# Altium PCB PCB.PcbDoc (part 2 of 3)
Units mm, origin at the board's own origin, x right, y up, seen from the top; angles counter-clockwise.
Board outline 138 x 80 mm, 4 copper layers (Top Layer, Signal Layer 1, Signal Layer 2, Bottom Layer), stack 1.605 mm thick; 288 components, 216 nets, 805 pads, 268 vias.
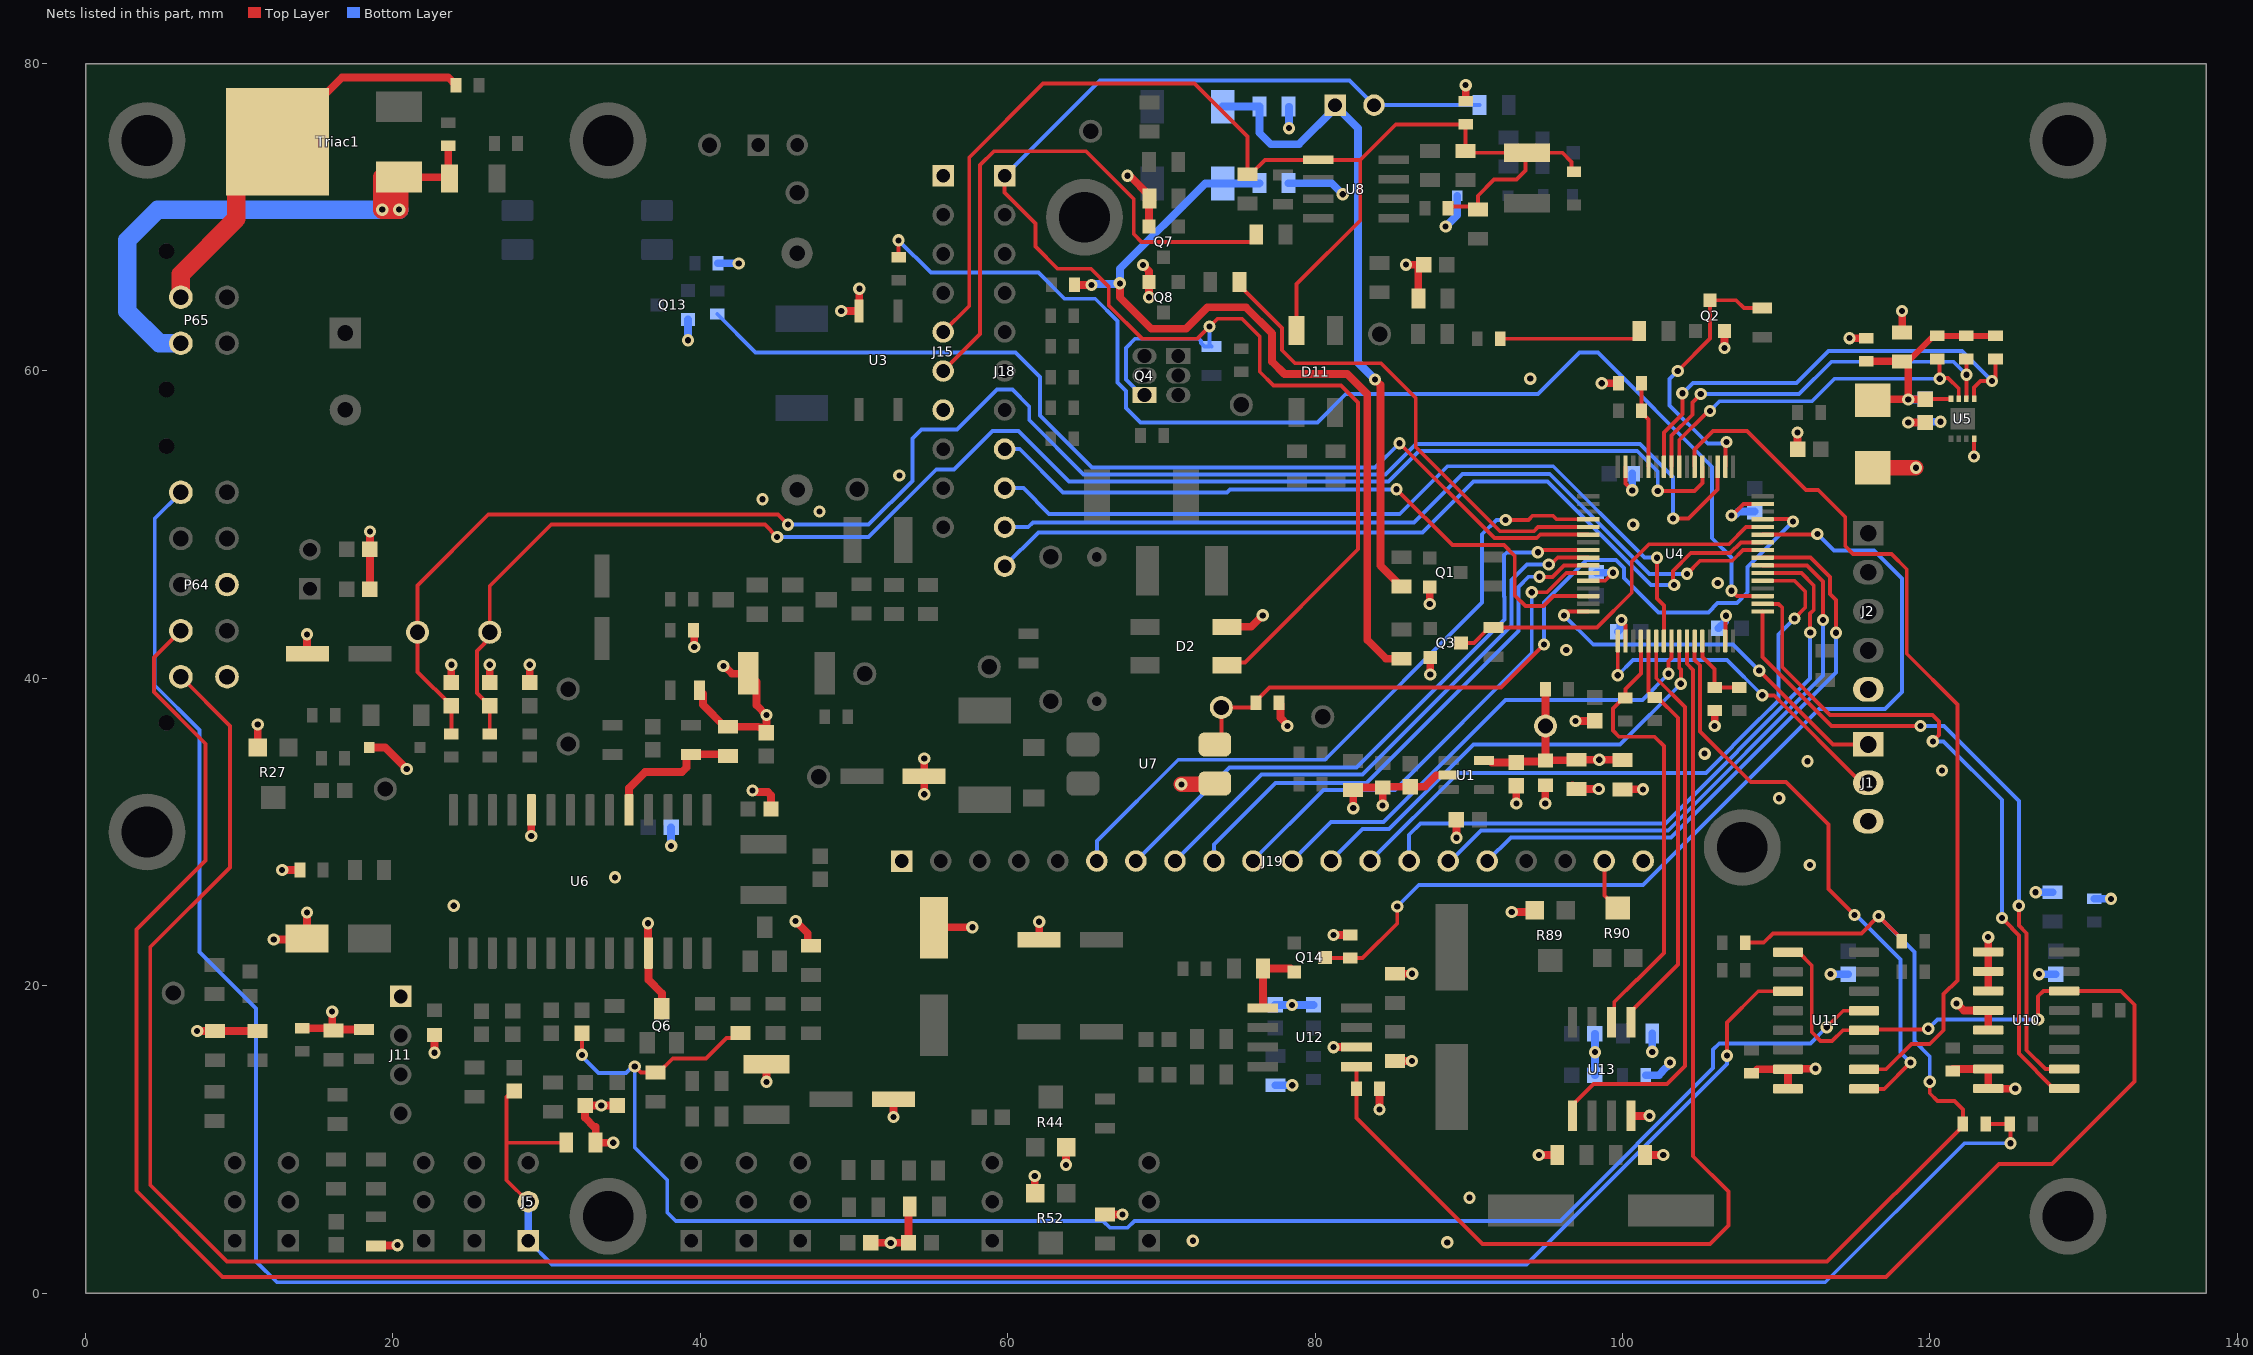
[diagram p4: the nets of this part, all layers, seen from the top]

## Part data (continued)
Q1 Q2 Q3 Q13 Q14: library part CMP-012-00003-2, "MMBT2222 Series NPN 350 mW 40 V 600 mA SMT Small Signal Transistor - SOT-23", Case/Package=SOT-23-3, Collector Base Voltage (VCBO)=75V, Collector Emitter Breakdown Voltage=40V, Collector Emitter Saturation Voltage=1V, Continuous Collector Current=600mA, Current=1A, Emitter Base Voltage (VEBO)=6V, Frequency=300MHz, Manufacturer=Diodes, Max Operating Temperature=150°C, Max Power Dissipation=300mW, Min Operating Temperature=-55°C, Package Quantity=3000, Power Dissipation=350mW, Category=BJTs, Collector Emitter Voltage (VCEO)=40V, Collector-emitter Voltage-Max=1V, Component Type=Standard, ComponentLink1Description=https://datasheet.ciiva.com/15139/getdatasheetpartid-82692-15139078.pdf?src-supplier=Verical, ComponentLink1URL=https://datasheet.ciiva.com/15139/getdatasheetpartid-82692-15139078.pdf?src-supplier=Verical, ComponentLink2Description=https://datasheet.ciiva.com/8029/ds30041-8029709.pdf?src-supplier=Element14, ComponentLink2URL=https://datasheet.ciiva.com/8029/ds30041-8029709.pdf?src-supplier=Element14, ComponentLink3Description=https://datasheet.ciiva.com/11201/ds30041-11201864.pdf?src-supplier=Avnet, ComponentLink3URL=https://datasheet.ciiva.com/11201/ds30041-11201864.pdf?src-supplier=Avnet, ComponentLink4Description=https://datasheet.ciiva.com/16199/ds30041-16199045.pdf?src-supplier=Future+Electronics, ComponentLink4URL=https://datasheet.ciiva.com/16199/ds30041-16199045.pdf?src-supplier=Future+Electronics, ComponentLink5Description=https://datasheet.ciiva.com/11198/ds30041-11198965.pdf?src-supplier=Avnet, ComponentLink5URL=https://datasheet.ciiva.com/11198/ds30041-11198965.pdf?src-supplier=Avnet, ComponentLink6Description=https://datasheet.ciiva.com/972/ds30041-972551.pdf?src-supplier=Digi-Key, ComponentLink6URL=https://datasheet.ciiva.com/972/ds30041-972551.pdf?src-supplier=Digi-Key, ComponentLink7Description=https://datasheet.ciiva.com/972/ds30041-972552.pdf?src-supplier=Digi-Key, ComponentLink7URL=https://datasheet.ciiva.com/972/ds30041-972552.pdf?src-supplier=Digi-Key, ComponentLink8Description=https://datasheet.ciiva.com/972/ds30041-972550.pdf?src-supplier=Digi-Key, ComponentLink8URL=https://datasheet.ciiva.com/972/ds30041-972550.pdf?src-supplier=Digi-Key, Contact Plating=Tin,Matte, Current Rating=600mA, Design Item ID=MMBT2222A-7-F, Element Configuration=Single, Gain Bandwidth Product=300MHz, Height=1mm, hFE Min=100, Lead Free="Lead Free", Length=3.05mm, Manufacturer Part Number=MMBT2222A-7-F, Max Collector Current=600mA, Max Frequency=300MHz, Mount="Surface Mount", Number of Elements=1, Packaging="Tape and Reel", Pin Count=3, Pins=3, Polarity=NPN, Pricing 1="1=0.14000, 10=0.13300, 50=0.13300, 100=0.07200, 500=0.04500, 1000=0.03100, 3000=0.02300, 9000=0.02000, 10000=0.02000, 24000=0.01800, 45000=0.01500 (USD)", Radiation Hardening=No, Reach SVHC Compliant=Yes, RoHS=Yes, RoHS Compliant=Yes, Series="Automotive, AEC-Q101", Source=PTZ.SCHLIB, Stock 1=1743698, Termination=SMD/SMT, Transition Frequency=300MHz, Voltage=40V, Voltage Rating=40V, Voltage Rating (DC)=40V, Weight=0.000282oz, Width=1.4mm
Q4 Q5: library part CMP-012-000004-2, "MPSA92 Series 300 V 500 mA PNP Through Hole Silicon Transistor - TO-92", Manufacturer="Central Semiconductor", Component Type=Standard, Design Item ID=MPSA92PBFREE, Manufacturer Part Number=MPSA92PBFREE, Pin Count=3, Pricing 1="1=0.51, 10=0.438, 50=0.438, 100=0.327, 1000=0.19, 10000=0.146 (USD)", RoHS=Yes, Source=V4-TEL.SCHLIB, Stock 1=81433
Q6 Q9 Q11 Q12: library part CMP-013-00035-1, "ON Semi BCX17LT1G PNP Bipolar Transistor; 0.5 A; 45 V; 3-Pin SOT-23", Case/Package=SOT-23-3, Continuous Collector Current=500mA, Manufacturer="ON Semiconductor", Max Operating Temperature=150°C, Min Operating Temperature=-55°C, Manufacturer Part Number=BCX17LT1G, Mounting Technology=SMD/SMT, Nominal Vgs=5V, Pins=3, Transistor Type=PNP
Q7 Q8 Q10: library part CMP-012-00011-1, "Bipolar Transistor, SOT-23, 160V, 600mA", Case/Package=SOT-23, Manufacturer="ON Semiconductor", Manufacturer Part Number=MMBT5551LT1G, Reach SVHC Compliant=Yes, RoHS Compliant=Yes
R1 R2 R25 R28 R56 R58 R65 R68 R75 R77 R88 R96 R98 R99 R101 R102 R103: library part CMP-009-00195-1, "Res Thkflm 0603 0 Ohm Jumper 1/10W 100Ppm/ C Smd Rohs Compliant: Yes", Case Code (Metric)=1608, Case/Package=0603, Current Rating=1A, Manufacturer 1="Stackpole Electronics", Max Operating Temperature=155°C, Max Power Dissipation=100mW, Min Operating Temperature=-55°C, Resistor Type="Thick Film", Working Voltage=75V, Category="Chip SMD Resistors", ComponentLink1Description=https://www.seielect.com/catalog/SEI-Packaging.pdf?src-supplier=Digi-Key, ComponentLink1URL=https://www.seielect.com/catalog/SEI-Packaging.pdf?src-supplier=Digi-Key, ComponentLink2Description=https://www.seielect.com/Catalog/SEI-RMCF_RMCP.pdf?src-supplier=Digi-Key, ComponentLink2URL=https://www.seielect.com/Catalog/SEI-RMCF_RMCP.pdf?src-supplier=Digi-Key, ComponentLink3Description=https://www.seielect.com/catalog/SEI-Packaging.pdf?src-supplier=Arrow+Electronics, ComponentLink3URL=https://www.seielect.com/catalog/SEI-Packaging.pdf?src-supplier=Arrow+Electronics, ComponentLink4Description=https://www.seielect.com/catalog/SEI-Packaging.pdf?src-supplier=Avnet, ComponentLink4URL=https://www.seielect.com/catalog/SEI-Packaging.pdf?src-supplier=Avnet, ComponentLink5Description=https://www.seielect.com/catalog/SEI-Packaging.pdf?src-supplier=Verical, ComponentLink5URL=https://www.seielect.com/catalog/SEI-Packaging.pdf?src-supplier=Verical, Construction=Rectangular, Contact Plating=Tin,Matte, Depth=0.8mm, Design Item ID=RMCF0603ZT0R00, Features="Automotive AEC-Q200", Height=0.022inch, Lead Free="Lead Free", Length=1.55mm, Manufacturer Part Number 1=RMCF0603ZT0R00, Military Standard=Not, Mount="Surface Mount", Number of Terminations=2, Packaging="Tape and Reel", Power Rating=100mW, Pricing 1="1=0.10000, 10=0.01300, 25=0.00960, 50=0.00720, 100=0.00530, 250=0.00404, 500=0.00324, 1000=0.00238 (USD)", Radiation Hardening=No, RoHS=Yes, RoHS Compliant=Yes, Series=RMCF, Source=PTZLib.SchLib, Stock 1=617251, Width=0.031inch
R3 R93: library part CMP-009-00242-1, "Res Thick Film 0603 330 Ohm 1% 0.1W(1/10W) ±100ppm/C Pad SMD T/R", Case Code (Metric)=1608, Case/Package=0603, Manufacturer=Yageo, Manufacturer Part Number=RC0603FR-071K54L, Max Operating Temperature=155°C, Max Power Dissipation=100mW, Min Operating Temperature=-55°C, Package Quantity=1, Resistor Type="Thick Film", Temperature Coefficient=100ppm/°C, Tolerance=1%, Voltage Rating=50V, Category="Chip SMD Resistors", ComponentLink1Description=https://datasheet.ciiva.com/2454/pyu-r-int-thick-7-2454405.pdf?src-supplier=Digi-Key, ComponentLink1URL=https://datasheet.ciiva.com/2454/pyu-r-int-thick-7-2454405.pdf?src-supplier=Digi-Key, ComponentLink2Description=https://datasheet.ciiva.com/2454/pyu-r-int-thick-7-2454406.pdf?src-supplier=Digi-Key, ComponentLink2URL=https://datasheet.ciiva.com/2454/pyu-r-int-thick-7-2454406.pdf?src-supplier=Digi-Key, ComponentLink3Description=https://datasheet.ciiva.com/2454/pyu-r-int-thick-7-2454407.pdf?src-supplier=Digi-Key, ComponentLink3URL=https://datasheet.ciiva.com/2454/pyu-r-int-thick-7-2454407.pdf?src-supplier=Digi-Key, Construction=Rectangular, Depth=0.8mm, Design Item ID=RC0603FR-071K54L, Features="Moisture Resistant", Height=450um, Lead Free="Lead Free", Length=1.6mm, Military Standard=Not, Number of Terminations=2, Packaging="Cut Tape", Pins=2, Power Rating=100mW, Pricing 1="1=0.10000, 10=0.01800, 50=0.01800, 100=0.00600, 1000=0.00500, 10000=0.00300 (USD)", RoHS=Yes, RoHS Compliant=Yes, Series=RC, Size Code=0603, Stock 1=61319, Termination=SMD/SMT, Voltage Rating (DC)=50V, Width=800um
R4: library part CMP-009-00287-2, "Res Thick Film 2512 56 Ohm 5% 2W ±100ppm/°C Molded SMD SMD T/R", Case Code (Imperial)=2512, Case Code (Metric)=6432, Manufacturer="TE Connectivity", Max Operating Temperature=155°C, Min Operating Temperature=-55°C, Number of Resistors=1, Power=2W, Resistance Tolerance=5%, Resistor Type="Power resistor", Temperature Coefficient=100ppm/°C, Voltage Rating=200V, Case/Package=2512, Component Type=Standard, ComponentLink1Description=https://datasheet.ciiva.com/12564/ng-ds-1773204-g-214560-12564976.pdf?src-supplier=Mouser, ComponentLink1URL=https://datasheet.ciiva.com/12564/ng-ds-1773204-g-214560-12564976.pdf?src-supplier=Mouser, ComponentLink2Description=https://datasheet.ciiva.com/48778/1755795-48778268.pdf?src-supplier=Element14, ComponentLink2URL=https://datasheet.ciiva.com/48778/1755795-48778268.pdf?src-supplier=Element14, ComponentLink3Description=https://datasheet.ciiva.com/48777/1755795-48777694.pdf?src-supplier=Element14, ComponentLink3URL=https://datasheet.ciiva.com/48777/1755795-48777694.pdf?src-supplier=Element14, Depth=3.2mm, Height=0.55mm, Length=6.35mm, Manufacturer Part Number=4-1879501-3, Mounting Technology="Surface Mount", Number of Terminations=2, Packaging="Cut Tape", Pins=2, Reach SVHC Compliant=No, RoHS Compliant=Yes, Series=CRGH, Stock=3706, Technology="THICK FILM", Termination=Solder, Tolerance=5%, Voltage Rating (DC)=200V
R5 R8 R10 R11 R12 R16 R18 R19 R20 R21 R37 R47 R49 R73 R86 R97 R100 R110 R111 R112 R113 R114 R115: library part CMP-009-00213-1, "Res Thick Film 0603 10K Ohm 5% 1/10W 200ppm/C Molded SMD SMD Paper T/R", Case Code (Metric)=1608, Case/Package=0603, Manufacturer 1="Vishay Dale", Max Operating Temperature=155°C, Max Power Dissipation=100mW, Min Operating Temperature=-55°C, Package Quantity=1, Resistance Tolerance=5%, Resistor Type="Thick Film", Temperature Coefficient=200ppm/°C, Voltage Rating=75V, Category="Chip SMD Resistors", ComponentLink1Description=https://datasheet.ciiva.com/3256/dcrcwe3-3256943.pdf?src-supplier=Avnet, ComponentLink1URL=https://datasheet.ciiva.com/3256/dcrcwe3-3256943.pdf?src-supplier=Avnet, ComponentLink2Description=https://datasheet.ciiva.com/2461/dcrcwe3-2461971.pdf?src-supplier=Digi-Key, ComponentLink2URL=https://datasheet.ciiva.com/2461/dcrcwe3-2461971.pdf?src-supplier=Digi-Key, ComponentLink3Description=https://datasheet.ciiva.com/2461/dcrcwe3-2461972.pdf?src-supplier=Digi-Key, ComponentLink3URL=https://datasheet.ciiva.com/2461/dcrcwe3-2461972.pdf?src-supplier=Digi-Key, ComponentLink4Description=https://datasheet.ciiva.com/2461/dcrcwe3-2461973.pdf?src-supplier=Digi-Key, ComponentLink4URL=https://datasheet.ciiva.com/2461/dcrcwe3-2461973.pdf?src-supplier=Digi-Key, ComponentLink5Description=https://datasheet.ciiva.com/3256/dcrcwe3-3256942.pdf?src-supplier=Avnet, ComponentLink5URL=https://datasheet.ciiva.com/3256/dcrcwe3-3256942.pdf?src-supplier=Avnet, ComponentLink6Description=https://datasheet.ciiva.com/16343/dcrcwe3-16343525.pdf?src-supplier=Future+Electronics, ComponentLink6URL=https://datasheet.ciiva.com/16343/dcrcwe3-16343525.pdf?src-supplier=Future+Electronics, ComponentLink7Description=https://datasheet.ciiva.com/16755/70201119-16755717.pdf?src-supplier=Allied+Electronics, ComponentLink7URL=https://datasheet.ciiva.com/16755/70201119-16755717.pdf?src-supplier=Allied+Electronics, ComponentLink8Description=https://datasheet.ciiva.com/16515/dcrcwe3-16515020.pdf?src-supplier=Avnet+Asia, ComponentLink8URL=https://datasheet.ciiva.com/16515/dcrcwe3-16515020.pdf?src-supplier=Avnet+Asia, ComponentLink9Description=https://datasheet.ciiva.com/16771/70201119-16771051.pdf?src-supplier=Allied+Electronics, ComponentLink9URL=https://datasheet.ciiva.com/16771/70201119-16771051.pdf?src-supplier=Allied+Electronics, Construction=Rectangular, Contact Plating=Tin, Depth=0.85mm, Design Item ID=CRCW060310K0JNEA, Features="Automotive AEC-Q200", Height=0.02inch, Lead Free="Lead Free", Length=1.55mm, Manufacturer Part Number 1=CRCW060310K0JNEA, Military Standard=Not, Mount="Surface Mount", Number of Terminations=2, Packaging="Tape and Reel", Pins=2, Power Rating=100mW, Pricing 1="1=0.10000, 10=0.03300, 100=0.01360, 1000=0.00610, 2500=0.00529 (USD)", Radiation Hardening=No, REACH SVHC=Unknown, RoHS=Yes, RoHS Compliant=Yes, Series=CRCW, Size Code=0603, Source=PTZLib.SchLib, Stock 1=41, Termination=SMD/SMT, Tolerance=5%, Voltage Rating (DC)=75V, Weight=7.1E-05oz, Width=0.033inch
R6 R57: "RC Series 0805 0.125 W 0 Ohm Jumper SMT Thick Film Chip Resistor", Case Code (Metric)=2012, Case/Package=0805, Manufacturer=Yageo, Manufacturer Part Number=RC0805FR-070RL, Max Operating Temperature=155°C, Max Power Dissipation=125mW, Min Operating Temperature=-55°C, Tolerance=1%, Category="Chip SMD Resistors", Component Type=Standard, ComponentLink1Description=https://datasheet.ciiva.com/15189/getdatasheetpartid-348154-15189885.pdf?src-supplier=Verical, ComponentLink1URL=https://datasheet.ciiva.com/15189/getdatasheetpartid-348154-15189885.pdf?src-supplier=Verical, ComponentLink2Description=https://datasheet.ciiva.com/17042/rc0805-17042698.pdf?src-supplier=Future+Electronics, ComponentLink2URL=https://datasheet.ciiva.com/17042/rc0805-17042698.pdf?src-supplier=Future+Electronics, Construction=Rectangular, Contact Plating=Tin,Matte, Depth=1.25mm, Design Item ID=RC0805FR-070RL, Features="Moisture Resistant", Lead Free="Lead Free", Length=2mm, Military Standard=Not, Number of Terminations=2, Packaging="Tape and Reel", Pin Count=2, Power Rating=125mW, Pricing 1="1=0.1, 10=0.039, 50=0.039, 100=0.016, 1000=0.008, 10000=0.004 (USD)", RoHS=Yes, RoHS Compliant=Yes, Series=RC, Size Code=0805, Source=V4-TEL.SCHLIB, Stock 1=550673
R7 R13 R14 R34: library part CMP-009-00322-1, "Res Thick Film 0805 100K Ohm 1% 1/8W ±100ppm/°C Molded SMD Paper T/R", Case/Package=0805, Manufacturer=Yageo, Max Operating Temperature=155°C, Min Operating Temperature=-55°C, Power=125mW, Resistor Type="Thick Film", Temperature Coefficient=100ppm/°C, Tolerance=1%, Voltage Rating=150V, Contact Plating=Tin,Matte, Height=500um, Lead Free="Lead Free", Length=2mm, Manufacturer Part Number=RC0805FR-07100KL, Mounting Technology=SM, Packaging="Cut Tape", Pins=2, Radiation Hardening=No, Reach SVHC Compliant=Yes, RoHS Compliant=True, Voltage Rating (DC)=150V, Width=1.25mm
R9 R17 R53 R54: "Res Thick Film 0805 1M Ohm 5% 0.125W(1/8W) ±200ppm/°C Pad SMD T/R", Manufacturer=Vishay, Manufacturer Part Number=CRCW08051M00JNEAC, Category="Chip SMD Resistors", Component Type=Standard, Design Item ID=CRCW08051M00JNEAC, Pin Count=2, Pricing 1="1=0.1, 10=0.042, 50=0.042, 100=0.017, 1000=0.008, 10000=0.005 (USD)", RoHS=No, Source=V4-TEL.SCHLIB, Stock 1=24891
R15 R45 R66 R67 R72: "Res Thick Film 0805 330K Ohm 1% 1/8W ±100ppm/°C Molded SMD Paper T/R", Case Code (Metric)=2012, Case/Package=0805, Manufacturer=Yageo, Manufacturer Part Number=RC0805FR-07330KL, Max Operating Temperature=155°C, Max Power Dissipation=125mW, Min Operating Temperature=-55°C, Package Quantity=1, Resistance Tolerance=1%, Resistor Type="Thick Film", Temperature Coefficient=100ppm/°C, Voltage Rating=150V, Category="Chip SMD Resistors", Component Type=Standard, ComponentLink1Description=https://datasheet.ciiva.com/2457/pyu-r-int-thick-7-2457090.pdf?src-supplier=Digi-Key, ComponentLink1URL=https://datasheet.ciiva.com/2457/pyu-r-int-thick-7-2457090.pdf?src-supplier=Digi-Key, ComponentLink2Description=https://datasheet.ciiva.com/2457/pyu-r-int-thick-7-2457091.pdf?src-supplier=Digi-Key, ComponentLink2URL=https://datasheet.ciiva.com/2457/pyu-r-int-thick-7-2457091.pdf?src-supplier=Digi-Key, ComponentLink3Description=https://datasheet.ciiva.com/2457/pyu-r-int-thick-7-2457089.pdf?src-supplier=Digi-Key, ComponentLink3URL=https://datasheet.ciiva.com/2457/pyu-r-int-thick-7-2457089.pdf?src-supplier=Digi-Key, ComponentLink4Description=https://datasheet.ciiva.com/12667/rc0805-12667006.pdf?src-supplier=Mouser, ComponentLink4URL=https://datasheet.ciiva.com/12667/rc0805-12667006.pdf?src-supplier=Mouser, ComponentLink5Description=https://datasheet.ciiva.com/7941/444164-7941766.pdf?src-supplier=Element14, ComponentLink5URL=https://datasheet.ciiva.com/7941/444164-7941766.pdf?src-supplier=Element14, ComponentLink6Description=https://datasheet.ciiva.com/7941/444164-7941767.pdf?src-supplier=Element14, ComponentLink6URL=https://datasheet.ciiva.com/7941/444164-7941767.pdf?src-supplier=Element14, ComponentLink7Description=https://datasheet.ciiva.com/17197/rc0805-17197631.pdf?src-supplier=Future+Electronics, ComponentLink7URL=https://datasheet.ciiva.com/17197/rc0805-17197631.pdf?src-supplier=Future+Electronics, Construction=Rectangular, Contact Plating=Tin,Matte, Depth=1.25mm, Design Item ID=RC0805FR-07330KL, Features="Moisture Resistant", Height=0.024inch, Lead Free="Lead Free", Length=0.079inch, Military Standard=Not, Number of Terminations=2, Packaging="Tape and Reel", Pin Count=2, Power Rating=125mW, Pricing 1="1=0.1, 10=0.033, 50=0.033, 100=0.014, 1000=0.007, 10000=0.003 (USD)", Reach SVHC Compliant=Unknown, RoHS=Yes, RoHS Compliant=Yes, Series=RC, Size Code=0805, Source=V4-TEL.SCHLIB, Stock 1=220926, Technology="THICK FILM", Termination=SMD/SMT, Tolerance=1%, Width=0.049inch
R22: "Res Thick Film 0805 1.5K Ohm 5% 1/8W ±200ppm/°C Molded SMD SMD Paper T/R", Case Code (Metric)=2012, Case/Package=0805, Manufacturer="Vishay Dale", Manufacturer Part Number=CRCW08051K50JNEA, Max Operating Temperature=155°C, Max Power Dissipation=125mW, Min Operating Temperature=-55°C, Package Quantity=5000, Resistance Tolerance=5%, Resistor Type="Thick Film", Temperature Coefficient=200ppm/°C, Voltage Rating=150V, Category="Chip SMD Resistors", Component Type=Standard, ComponentLink1Description=https://datasheet.ciiva.com/16780/70201119-16780055.pdf?src-supplier=Allied+Electronics, ComponentLink1URL=https://datasheet.ciiva.com/16780/70201119-16780055.pdf?src-supplier=Allied+Electronics, ComponentLink2Description=https://datasheet.ciiva.com/9100/dcrcwe3-9100360.pdf?src-supplier=Avnet, ComponentLink2URL=https://datasheet.ciiva.com/9100/dcrcwe3-9100360.pdf?src-supplier=Avnet, Construction=Rectangular, Contact Plating=Tin, Depth=1.25mm, Design Item ID=CRCW08051K50JNEA, Features="Automotive AEC-Q200", Height=0.45mm, Lead Free="Lead Free", Length=2mm, Military Standard=Not, Number of Terminations=2, Packaging="Tape and Reel", Pin Count=2, Power Rating=125mW, Pricing 1="1=0.1, 10=0.05, 50=0.05, 100=0.021, 1000=0.01, 10000=0.006 (USD)", Radiation Hardening=No, Reach SVHC Compliant=Unknown, RoHS=Yes, RoHS Compliant=Yes, Series=CRCW, Size Code=0805, Source=V4-TEL.SCHLIB, Stock 1=18838, Termination=SMD/SMT, Tolerance=5%, Voltage Rating (DC)=150V, Weight=0.000194oz, Width=1.25mm
R23 R43: "Res Thick Film 0805 1.8K Ohm 5% 1/8W ±200ppm/°C Molded SMD SMD Paper T/R", Case Code (Metric)=2012, Case/Package=0805, Manufacturer="Vishay Dale", Manufacturer Part Number=CRCW08051K80JNEA, Max Operating Temperature=155°C, Max Power Dissipation=125mW, Min Operating Temperature=-55°C, Package Quantity=1, Resistance Tolerance=5%, Resistor Type="Thick Film", Temperature Coefficient=200ppm/°C, Voltage Rating=150V, Category="Chip SMD Resistors", Component Type=Standard, ComponentLink1Description=https://datasheet.ciiva.com/2464/dcrcwe3-2464848.pdf?src-supplier=Digi-Key, ComponentLink1URL=https://datasheet.ciiva.com/2464/dcrcwe3-2464848.pdf?src-supplier=Digi-Key, ComponentLink2Description=https://datasheet.ciiva.com/22872/70201119-22872346.pdf?src-supplier=Allied+Electronics, ComponentLink2URL=https://datasheet.ciiva.com/22872/70201119-22872346.pdf?src-supplier=Allied+Electronics, ComponentLink3Description=https://datasheet.ciiva.com/16390/dcrcw-16390924.pdf?src-supplier=Future+Electronics, ComponentLink3URL=https://datasheet.ciiva.com/16390/dcrcw-16390924.pdf?src-supplier=Future+Electronics, ComponentLink4Description=https://datasheet.ciiva.com/3258/dcrcwe3-3258269.pdf?src-supplier=Avnet, ComponentLink4URL=https://datasheet.ciiva.com/3258/dcrcwe3-3258269.pdf?src-supplier=Avnet, ComponentLink5Description=https://datasheet.ciiva.com/2464/dcrcwe3-2464846.pdf?src-supplier=Digi-Key, ComponentLink5URL=https://datasheet.ciiva.com/2464/dcrcwe3-2464846.pdf?src-supplier=Digi-Key, ComponentLink6Description=https://datasheet.ciiva.com/3258/dcrcwe3-3258270.pdf?src-supplier=Avnet, ComponentLink6URL=https://datasheet.ciiva.com/3258/dcrcwe3-3258270.pdf?src-supplier=Avnet, ComponentLink7Description=https://datasheet.ciiva.com/2464/dcrcwe3-2464847.pdf?src-supplier=Digi-Key, ComponentLink7URL=https://datasheet.ciiva.com/2464/dcrcwe3-2464847.pdf?src-supplier=Digi-Key, Contact Plating=Tin, Design Item ID=CRCW08051K80JNEA, Features="Automotive AEC-Q200", Height=0.02inch, Lead Free="Lead Free", Length=0.079inch, Number of Terminations=2, Packaging="Cut Tape", Pin Count=2, Power Rating=125mW, Pricing 1="1=0.1, 10=0.05, 50=0.05, 100=0.021, 1000=0.01, 10000=0.005 (USD)", Radiation Hardening=No, Reach SVHC Compliant=Unknown, RoHS=Yes, RoHS Compliant=Yes, Series=CRCW, Size Code=0805, Source=V4-TEL.SCHLIB, Stock 1=4900, Termination=SMD/SMT, Tolerance=5%, Voltage Rating (DC)=150V, Weight=0.000194oz, Width=0.049inch
R24 R70: "Res Thick Film 0805 2.2K Ohm 5% 1/8W ±200ppm/°C Molded SMD SMD Paper Tape on Plastic Reel", Case Code (Metric)=2012, Case/Package=0805, Manufacturer=Bourns, Manufacturer Part Number=CR0805-JW-222ELF, Max Operating Temperature=155°C, Max Power Dissipation=125mW, Min Operating Temperature=-55°C, Package Quantity=1, Resistance Tolerance=5%, Resistor Type="Thick Film", Temperature Coefficient=200ppm/°C, Voltage Rating=150V, Category="Chip SMD Resistors", Component Type=Standard, ComponentLink1Description=https://datasheet.ciiva.com/5547/chpreztr-26488-5547975.pdf?src-supplier=Mouser, ComponentLink1URL=https://datasheet.ciiva.com/5547/chpreztr-26488-5547975.pdf?src-supplier=Mouser, ComponentLink2Description=https://datasheet.ciiva.com/6547/chpreztr-6547353.pdf?src-supplier=Digi-Key, ComponentLink2URL=https://datasheet.ciiva.com/6547/chpreztr-6547353.pdf?src-supplier=Digi-Key, ComponentLink3Description=https://datasheet.ciiva.com/6547/chpreztr-6547354.pdf?src-supplier=Digi-Key, ComponentLink3URL=https://datasheet.ciiva.com/6547/chpreztr-6547354.pdf?src-supplier=Digi-Key, ComponentLink4Description=https://datasheet.ciiva.com/6547/chpreztr-6547355.pdf?src-supplier=Digi-Key, ComponentLink4URL=https://datasheet.ciiva.com/6547/chpreztr-6547355.pdf?src-supplier=Digi-Key, Contact Plating=Tin, Design Item ID=CR0805-JW-222ELF, Features="Moisture Resistant", Height=0.024inch, Length=0.079inch, Mount="Surface Mount", Number of Terminations=2, Packaging="Tape and Reel", Pin Count=2, Power Rating=125mW, Pricing 1="1=0.1, 10=0.024, 50=0.024, 100=0.01, 1000=0.005, 10000=0.003 (USD)", Radiation Hardening=No, Reach SVHC Compliant=No, RoHS=Yes, RoHS Compliant=Yes, Series=CR0805, Source=V4-TEL.SCHLIB, Stock 1=107619, Termination=SMD/SMT, Thickness=508um, Tolerance=5%, Voltage Rating (DC)=150V, Width=1.25mm
R26 R32: library part CMP-009-00285-2, "Res Thick Film 2512 10 Ohm 5% 3W ±200ppm/C Pad SMD T/R", Case Code (Metric)=6432, Case/Package=2512, Manufacturer="TE Connectivity CGS", Max Operating Temperature=105°C, Min Operating Temperature=-55°C, Number of Resistors=1, Power Rating=3W, Resistance Tolerance=5%, Resistor Type="Thick Film,Power resistor", Temperature Coefficient=200ppm/°C, Voltage Rating=250V, Category=Uncategorized, Component Type=Standard, ComponentLink1Description=http://www.farnell.com/datasheets/2007092.pdf?src-supplier=Farnell, ComponentLink1URL=http://www.farnell.com/datasheets/2007092.pdf?src-supplier=Farnell, ComponentLink2Description=http://uk.rs-online.com/webdocs/142d/0900766b8142d0f1.pdf?src-supplier=Rs, ComponentLink2URL=http://uk.rs-online.com/webdocs/142d/0900766b8142d0f1.pdf?src-supplier=Rs, ComponentLink3Description=https://www.te.com/commerce/DocumentDelivery/DDEController?Action=srchrtrv&DocNm=9-1773463-7&DocType=DS&DocLang=English&src-supplier=Digi-Key, ComponentLink3URL=https://www.te.com/commerce/DocumentDelivery/DDEController?Action=srchrtrv&DocNm=9-1773463-7&DocType=DS&DocLang=English&src-supplier=Digi-Key, ComponentLink4Description=http://www.te.com/commerce/DocumentDelivery/DDEController?Action=srchrtrv&DocNm=9-1773463-7&DocType=DS&DocLang=English&src-supplier=Digi-Key, ComponentLink4URL=http://www.te.com/commerce/DocumentDelivery/DDEController?Action=srchrtrv&DocNm=9-1773463-7&DocType=DS&DocLang=English&src-supplier=Digi-Key, ComponentLink5Description=http://www.farnell.com/datasheets/2007092.pdf?src-supplier=Newark, ComponentLink5URL=http://www.farnell.com/datasheets/2007092.pdf?src-supplier=Newark, Depth=3.2mm, Design Item ID=1-2176230-4, Height=1.1mm, Length=6.35mm, Manufacturer Part Number=1-2176230-4, Mount="Surface Mount", Number of Terminations=2, Packaging="Tape and Reel", Pin Count=2, Pricing 1="1=0.73, 10=0.617, 50=0.617, 100=0.414, 1000=0.243, 10000=0.2 (USD)", Reach SVHC Compliant=Unknown, RoHS=Yes, RoHS Compliant=Yes, Series=3522, Source=V4-TEL.SCHLIB, Stock 1=23105, Technology="THICK FILM", Termination=Solder, Tolerance=5%, Voltage Rating (DC)=250V
R27 R44 R52: library part CMP-009-00319-1, "Res Trimmer 20K Ohm 25% 1/10W 1(Elec)/1(Mech)Turn (3 X 3.8mm) Foot Print SMD Embossed T/R", Max Operating Temperature=100°C, Max Power Dissipation=100mW, Min Operating Temperature=-40°C, Package Quantity=1, Resistance Tolerance=25%, Resistor Type=Cermet, Temperature Coefficient=250ppm/°C, Depth=3.8mm, Height=0.047inch, Length=3mm, Military Standard=Not, Mounting Technology="Surface Mount", Number of Turns=1, Packaging="Tape and Reel", Pins=3, Power=100mW, Power Rating=100mW, Radiation Hardening=No, Reach SVHC Compliant=No, RoHS Compliant=Yes, Series=TC33, Termination="Foot Print", Tolerance=25%, Width=0.118inch
R29 R30 R35 R39 R76 R79: "Res Thick Film 0805 1.2K Ohm 1% 0.125W(1/8W) ±100ppm/C Molded SMD Paper Tape on Plastic Reel", Case Code (Metric)=2012, Case/Package=0805, Manufacturer=Bourns, Manufacturer Part Number=CR0805-FX-1201ELF, Max Operating Temperature=155°C, Max Power Dissipation=125mW, Min Operating Temperature=-55°C, Package Quantity=5000, Temperature Coefficient=100ppm/°C, Tolerance=1%, Voltage Rating=150V, Category="Chip SMD Resistors", Component Type=Standard, ComponentLink1Description=https://datasheet.ciiva.com/9123/chpreztr-9123541.pdf?src-supplier=Avnet, ComponentLink1URL=https://datasheet.ciiva.com/9123/chpreztr-9123541.pdf?src-supplier=Avnet, ComponentLink2Description=https://datasheet.ciiva.com/5581/chpreztr-5581383.pdf?src-supplier=Mouser, ComponentLink2URL=https://datasheet.ciiva.com/5581/chpreztr-5581383.pdf?src-supplier=Mouser, Contact Plating=Tin, Design Item ID=CR0805-FX-1201ELF, Features="Moisture Resistant", Height=0.024inch, Length=0.079inch, Mount="Surface Mount", Number of Terminations=2, Packaging="Tape and Reel", Pin Count=2, Power Rating=125mW, Pricing 1="1=0.1, 10=0.029, 50=0.029, 100=0.012, 1000=0.006, 10000=0.003 (USD)", Radiation Hardening=No, RoHS=Yes, RoHS Compliant=Yes, Series=CR0805, Source=V4-TEL.SCHLIB, Stock 1=89998, Termination=SMD/SMT, Thickness=508um, Width=1.25mm
R31: "Res Thick Film 0603 30 Ohm 1% 0.2W(1/5W) ±200ppm/°C Molded SMD Punched Carrier T/R", Case Code (Metric)=1608, Case/Package=0603, Manufacturer=Panasonic, Manufacturer Part Number=ERJP03F30R0V, Max Operating Temperature=155°C, Max Power Dissipation=200mW, Min Operating Temperature=-55°C, Package Quantity=5000, Ratings=AEC-Q200, Resistance Tolerance=1%, Resistor Type="Thick Film", Temperature Coefficient=200ppm/°C, Voltage Rating=150V, Category="Chip SMD Resistors", Component Type=Standard, ComponentLink1Description=https://datasheet.ciiva.com/11817/0900766b812cb812-11817099.pdf?src-supplier=Rs, ComponentLink1URL=https://datasheet.ciiva.com/11817/0900766b812cb812-11817099.pdf?src-supplier=Rs, ComponentLink2Description=https://datasheet.ciiva.com/48426/erjp-series-eng-tds-48426890.pdf?src-supplier=Distrelec, ComponentLink2URL=https://datasheet.ciiva.com/48426/erjp-series-eng-tds-48426890.pdf?src-supplier=Distrelec, ComponentLink3Description=https://datasheet.ciiva.com/48537/erjp-series-eng-tds-48537514.pdf?src-supplier=Distrelec, ComponentLink3URL=https://datasheet.ciiva.com/48537/erjp-series-eng-tds-48537514.pdf?src-supplier=Distrelec, ComponentLink4Description=https://datasheet.ciiva.com/22739/1790600-22739766.pdf?src-supplier=Element14, ComponentLink4URL=https://datasheet.ciiva.com/22739/1790600-22739766.pdf?src-supplier=Element14, ComponentLink5Description=https://datasheet.ciiva.com/24032/aoa0000ce4-64075-24032235.pdf?src-supplier=Mouser, ComponentLink5URL=https://datasheet.ciiva.com/24032/aoa0000ce4-64075-24032235.pdf?src-supplier=Mouser, Depth=0.8mm, Design Item ID=ERJP03F30R0V, Features="Automotive AEC-Q200", Height=0.45mm, Length=1.6mm, Mount="Surface Mount", Number of Terminations=2, Packaging="Tape and Reel", Pin Count=2, Pins=2, Power Rating=200mW, Pricing 1="1=0.36, 10=0.264, 50=0.264, 100=0.126, 1000=0.052, 10000=0.04 (USD)", Reach SVHC Compliant=No, RoHS=Yes, RoHS Compliant=Yes, Series=ERJ, Source=V4-TEL.SCHLIB, Stock 1=2224, Technology="THICK FILM", Termination=Tab, Tolerance=1%, Voltage Rating (DC)=150V, Width=0.8mm
R33: "Res Thick Film 0805 2K Ohm 5% 1/8W ±200ppm/°C Molded SMD SMD Paper Tape on Plastic Reel", Case Code (Metric)=2012, Case/Package=0805, Manufacturer=Bourns, Manufacturer Part Number=CR0805-JW-202ELF, Max Operating Temperature=155°C, Max Power Dissipation=125mW, Min Operating Temperature=-55°C, Package Quantity=1, Resistance Tolerance=5%, Resistor Type="Thick Film", Temperature Coefficient=200ppm/°C, Voltage Rating=150V, Category="Chip SMD Resistors", Component Type=Standard, ComponentLink1Description=https://datasheet.ciiva.com/18594/chpreztr-18594853.pdf?src-supplier=Digi-Key, ComponentLink1URL=https://datasheet.ciiva.com/18594/chpreztr-18594853.pdf?src-supplier=Digi-Key, ComponentLink2Description=https://datasheet.ciiva.com/18594/chpreztr-18594854.pdf?src-supplier=Digi-Key, ComponentLink2URL=https://datasheet.ciiva.com/18594/chpreztr-18594854.pdf?src-supplier=Digi-Key, ComponentLink3Description=https://datasheet.ciiva.com/18594/chpreztr-18594855.pdf?src-supplier=Digi-Key, ComponentLink3URL=https://datasheet.ciiva.com/18594/chpreztr-18594855.pdf?src-supplier=Digi-Key, Contact Plating=Tin, Design Item ID=CR0805-JW-202ELF, Features="Moisture Resistant", Height=0.024inch, Length=0.079inch, Mount="Surface Mount", Number of Terminations=2, Packaging="Tape and Reel", Pin Count=2, Power Rating=125mW, Pricing 1="1=0.1, 10=0.024, 50=0.024, 100=0.01, 1000=0.005, 10000=0.003 (USD)", Radiation Hardening=No, Reach SVHC Compliant=No, RoHS=Yes, RoHS Compliant=Yes, Series=CR0805, Source=V4-TEL.SCHLIB, Stock 1=147283, Termination=SMD/SMT, Thickness=508um, Tolerance=5%, Voltage Rating (DC)=150V, Width=1.25mm